# KiCad board shimarray.kicad_pcb (continued)
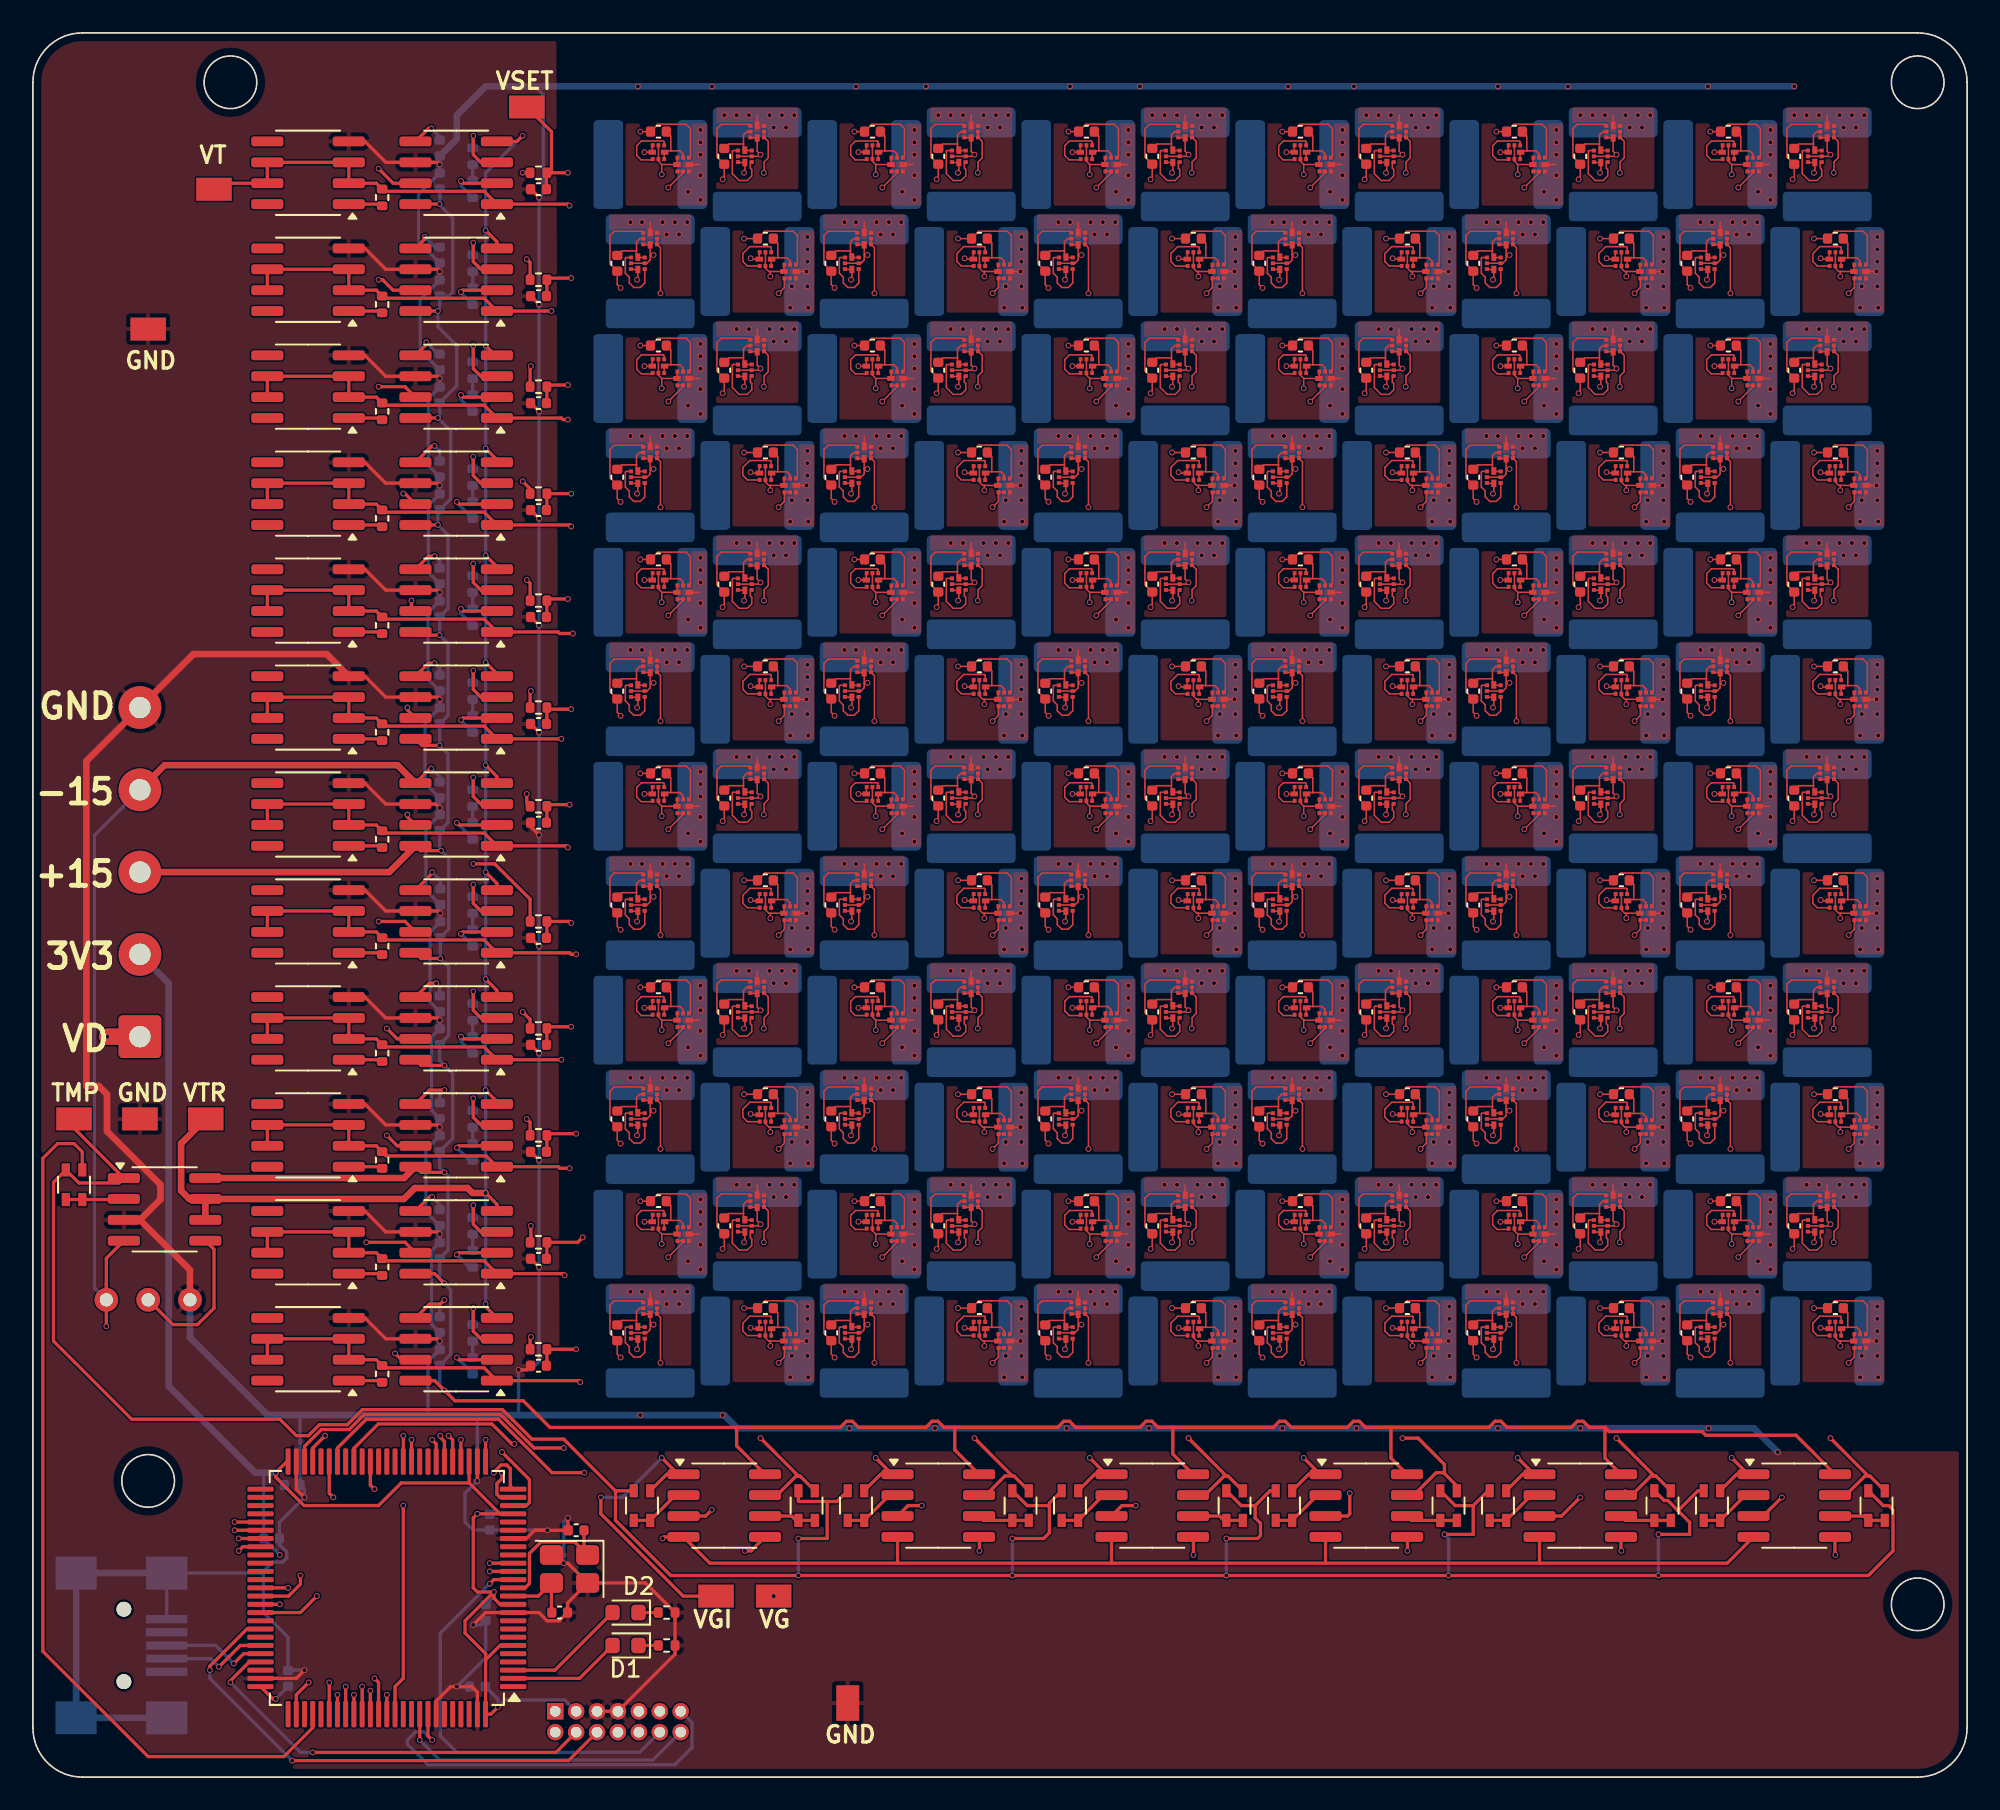
[diagram p0: board, top side]
## Routing (per net, layer and track width the routed paths; a pad name or vN(x,y) marks a point on that pad's centre or on a via; arc(x,y) is an arc through that point) (continued)
  Top w1: J4.1 v1(4.5,45)
  In1.Cu w1: v1(46.25,101) v1(42.75,101) 42.25,101.5 42.25,103 41.25,104 20.25,104 2.5,86.25 2.5,46 3.5,45 v1(4.5,45) J4.1
  vias: v1(36.3,94.5) v1(36.3,81.5) v1(36.3,68.5) v1(36.3,55.5) v1(36.3,42.5) v1(36.3,29.5) v1(37,94.5) v1(37,81.5) v1(37,68.5) v1(37,55.5) v1(37,42.5) v1(37,29.5) v1(38.25,94.5) v1(38.25,81.5) v1(38.25,68.5) v1(38.25,55.5) v1(38.25,42.5) v1(38.25,29.5) v1(38.5,93.75) v1(38.5,80.75) v1(38.5,67.75) v1(38.5,54.75) v1(38.5,41.75) v1(38.5,28.75) v1(39,94.5) v1(39,81.5) v1(39,68.5) v1(39,55.5) v1(39,42.5) v1(39,29.5) v1(39.25,93.75) v1(39.25,80.75) v1(39.25,67.75) v1(39.25,54.75) v1(39.25,41.75) v1(39.25,28.75) v1(39.8,96.35) v1(39.75,94.5) v1(39.8,83.35) v1(39.75,81.5) v1(39.8,70.35) v1(39.75,68.5) v1(39.8,57.35) v1(39.75,55.5) v1(39.8,44.35) v1(39.75,42.5) v1(39.8,31.35) v1(39.75,29.5) v1(40.55,100.1) v1(40.55,99.35) v1(40.55,98.6) v1(40.55,97.35) v1(40.55,95.85) v1(40.55,87.1) v1(40.55,86.35) v1(40.55,85.6) v1(40.55,84.35) v1(40.55,82.85) v1(40.55,74.1) v1(40.55,73.35) v1(40.55,72.6) v1(40.55,71.35) v1(40.55,69.85) v1(40.55,61.1) v1(40.55,60.35) v1(40.55,59.6) v1(40.55,58.35) v1(40.55,56.85) v1(40.55,48.1) v1(40.55,47.35) v1(40.55,46.6) v1(40.55,45.35) v1(40.55,43.85) v1(40.55,35.1) v1(40.55,34.35) v1(40.55,33.6) v1(40.55,32.35) v1(40.55,30.85) v1(42,101) v1(42.75,88) v1(42.75,75) v1(42.75,62) v1(42.75,49) v1(42.75,36) v1(43.5,101) v1(43.5,88) v1(43.5,75) v1(43.5,62) v1(43.5,49) v1(43.5,36) v1(44.75,101) v1(44.75,88) v1(44.75,75) v1(44.75,62) v1(44.75,49) v1(44.75,36) v1(45,100.25) v1(45,87.25) v1(45,74.25) v1(45,61.25) v1(45,48.25) v1(45,35.25) v1(45.5,101) v1(45.5,88) v1(45.5,75) v1(45.5,62) v1(45.5,49) v1(45.5,36) v1(45.75,100.25) v1(45.75,87.25) v1(45.75,74.25) v1(45.75,61.25) v1(45.75,48.25) v1(45.75,35.25) v1(46,89.3) v1(46,76.3) v1(46,63.3) v1(46,50.3) v1(46,37.3) v1(46,24.3) v1(46.1,90.6) v1(46.1,77.6) v1(46.1,64.6) v1(46.1,51.6) v1(46.1,38.6) v1(46.1,25.6) v1(46.25,88) v1(46.25,75) v1(46.25,62) v1(46.25,49) v1(46.25,36) v1(47.05,93.6) v1(47.05,92.85) v1(47.05,92.1) v1(47.05,90.6) v1(47.1,89.3) v1(47.05,80.6) v1(47.05,79.85) v1(47.05,79.1) v1(47.05,77.6) v1(47.1,76.3) v1(47.05,67.6) v1(47.05,66.85) v1(47.05,66.1) v1(47.05,64.6) v1(47.1,63.3) v1(47.05,54.6) v1(47.05,53.85) v1(47.05,53.1) v1(47.05,51.6) v1(47.1,50.3) v1(47.05,41.6) v1(47.05,40.85) v1(47.05,40.1) v1(47.05,38.6) v1(47.1,37.3) v1(47.05,28.6) v1(47.05,27.85) v1(47.05,27.1) v1(47.05,25.6) v1(47.1,24.3) v1(49.3,94.5) v1(49.3,81.5) v1(49.3,68.5) v1(49.3,55.5) v1(49.3,42.5) v1(49.3,29.5) v1(50,94.5) v1(50,81.5) v1(50,68.5) v1(50,55.5) v1(50,42.5) v1(50,29.5) v1(51.25,94.5) v1(51.25,81.5) v1(51.25,68.5) v1(51.25,55.5) v1(51.25,42.5) v1(51.25,29.5) v1(51.5,93.75) v1(51.5,80.75) v1(51.5,67.75) v1(51.5,54.75) v1(51.5,41.75) v1(51.5,28.75) v1(52,94.5) v1(52,81.5) v1(52,68.5) v1(52,55.5) v1(52,42.5) v1(52,29.5) v1(52.25,93.75) v1(52.25,80.75) v1(52.25,67.75) v1(52.25,54.75) v1(52.25,41.75) v1(52.25,28.75) v1(52.8,96.35) v1(52.75,94.5) v1(52.8,83.35) v1(52.75,81.5) v1(52.8,70.35) v1(52.75,68.5) v1(52.8,57.35) v1(52.75,55.5) v1(52.8,44.35) v1(52.75,42.5) v1(52.8,31.35) v1(52.75,29.5) v1(53.55,100.1) v1(53.55,99.35) v1(53.55,98.6) v1(53.55,97.35) v1(53.55,95.85) v1(53.55,87.1) v1(53.55,86.35) v1(53.55,85.6) v1(53.55,84.35) v1(53.55,82.85) v1(53.55,74.1) v1(53.55,73.35) v1(53.55,72.6) v1(53.55,71.35) v1(53.55,69.85) v1(53.55,61.1) v1(53.55,60.35) v1(53.55,59.6) v1(53.55,58.35) v1(53.55,56.85) v1(53.55,48.1) v1(53.55,47.35) v1(53.55,46.6) v1(53.55,45.35) v1(53.55,43.85) v1(53.55,35.1) v1(53.55,34.35) v1(53.55,33.6) v1(53.55,32.35) v1(53.55,30.85) v1(55,101) v1(55.75,101) v1(55.75,88) v1(55.75,75) v1(55.75,62) v1(55.75,49) v1(55.75,36) v1(56.5,101) v1(56.5,88) v1(56.5,75) v1(56.5,62) v1(56.5,49) v1(56.5,36) v1(57.75,101) v1(57.75,88) v1(57.75,75) v1(57.75,62) v1(57.75,49) v1(57.75,36) v1(58,100.25) v1(58,87.25) v1(58,74.25) v1(58,61.25) v1(58,48.25) v1(58,35.25) v1(58.5,101) v1(58.5,88) v1(58.5,75) v1(58.5,62) v1(58.5,49) v1(58.5,36) v1(58.75,100.25) v1(58.75,87.25) v1(58.75,74.25) v1(58.75,61.25) v1(58.75,48.25) v1(58.75,35.25) v1(59,89.3) v1(59,76.3) v1(59,63.3) v1(59,50.3) v1(59,37.3) v1(59,24.3) v1(59.1,90.6) v1(59.1,77.6) v1(59.1,64.6) v1(59.1,51.6) v1(59.1,38.6) v1(59.1,25.6) v1(59.25,101) v1(59.25,88) v1(59.25,75) v1(59.25,62) v1(59.25,49) v1(59.25,36) v1(60.05,93.6) v1(60.05,92.85) v1(60.05,92.1) v1(60.05,90.6) v1(60.1,89.3) v1(60.05,80.6) v1(60.05,79.85) v1(60.05,79.1) v1(60.05,77.6) v1(60.1,76.3) v1(60.05,67.6) v1(60.05,66.85) v1(60.05,66.1) v1(60.05,64.6) v1(60.1,63.3) v1(60.05,54.6) v1(60.05,53.85) v1(60.05,53.1) v1(60.05,51.6) v1(60.1,50.3) v1(60.05,41.6) v1(60.05,40.85) v1(60.05,40.1) v1(60.05,38.6) v1(60.1,37.3) v1(60.05,28.6) v1(60.05,27.85) v1(60.05,27.1) v1(60.05,25.6) v1(60.1,24.3) v1(62.3,94.5) v1(62.3,81.5) v1(62.3,68.5) v1(62.3,55.5) v1(62.3,42.5) v1(62.3,29.5) v1(63,94.5) v1(63,81.5) v1(63,68.5) v1(63,55.5) v1(63,42.5) v1(63,29.5) v1(64.25,94.5) v1(64.25,81.5) v1(64.25,68.5) v1(64.25,55.5) v1(64.25,42.5) v1(64.25,29.5) v1(64.5,93.75) v1(64.5,80.75) v1(64.5,67.75) v1(64.5,54.75) v1(64.5,41.75) v1(64.5,28.75) v1(65,94.5) v1(65,81.5) v1(65,68.5) v1(65,55.5) v1(65,42.5) v1(65,29.5) v1(65.25,93.75) v1(65.25,80.75) v1(65.25,67.75) v1(65.25,54.75) v1(65.25,41.75) v1(65.25,28.75) v1(65.8,96.35) v1(65.75,94.5) v1(65.8,83.35) v1(65.75,81.5) v1(65.8,70.35) v1(65.75,68.5) v1(65.8,57.35) v1(65.75,55.5) v1(65.8,44.35) v1(65.75,42.5) v1(65.8,31.35) v1(65.75,29.5) v1(66.55,100.1) v1(66.55,99.35) v1(66.55,98.6) v1(66.55,97.35) v1(66.55,95.85) v1(66.55,87.1) v1(66.55,86.35) v1(66.55,85.6) v1(66.55,84.35) v1(66.55,82.85) v1(66.55,74.1) v1(66.55,73.35) v1(66.55,72.6) v1(66.55,71.35) v1(66.55,69.85) v1(66.55,61.1) v1(66.55,60.35) v1(66.55,59.6) v1(66.55,58.35) v1(66.55,56.85) v1(66.55,48.1) v1(66.55,47.35) v1(66.55,46.6) v1(66.55,45.35) v1(66.55,43.85) v1(66.55,35.1) v1(66.55,34.35) v1(66.55,33.6) v1(66.55,32.35) v1(66.55,30.85) v1(68,101) v1(68.75,101) v1(68.75,88) v1(68.75,75) v1(68.75,62) v1(68.75,49) v1(68.75,36) v1(69.5,101) v1(69.5,88) v1(69.5,75) v1(69.5,62) v1(69.5,49) v1(69.5,36) v1(70.75,101) v1(70.75,88) v1(70.75,75) v1(70.75,62) v1(70.75,49) v1(70.75,36) v1(71,100.25) v1(71,87.25) v1(71,74.25) v1(71,61.25) v1(71,48.25) v1(71,35.25) v1(71.5,101) v1(71.5,88) v1(71.5,75) v1(71.5,62) v1(71.5,49) v1(71.5,36) v1(71.75,100.25) v1(71.75,87.25) v1(71.75,74.25) v1(71.75,61.25) v1(71.75,48.25) v1(71.75,35.25) v1(72,89.3) v1(72,76.3) v1(72,63.3) v1(72,50.3) v1(72,37.3) v1(72,24.3) v1(72.1,90.6) v1(72.1,77.6) v1(72.1,64.6) v1(72.1,51.6) v1(72.1,38.6) v1(72.1,25.6) v1(72.25,101) v1(72.25,88) v1(72.25,75) v1(72.25,62) v1(72.25,49) v1(72.25,36) v1(73.05,93.6) v1(73.05,92.85) v1(73.05,92.1) v1(73.05,90.6) v1(73.1,89.3) v1(73.05,80.6) v1(73.05,79.85) v1(73.05,79.1) v1(73.05,77.6) v1(73.1,76.3) v1(73.05,67.6) v1(73.05,66.85) v1(73.05,66.1) v1(73.05,64.6) v1(73.1,63.3) v1(73.05,54.6) v1(73.05,53.85) v1(73.05,53.1) v1(73.05,51.6) v1(73.1,50.3) v1(73.05,41.6) v1(73.05,40.85) v1(73.05,40.1) v1(73.05,38.6) v1(73.1,37.3) v1(73.05,28.6) v1(73.05,27.85) v1(73.05,27.1) v1(73.05,25.6) v1(73.1,24.3) v1(75.3,94.5) v1(75.3,81.5) v1(75.3,68.5) v1(75.3,55.5) v1(75.3,42.5) v1(75.3,29.5) v1(76,94.5) v1(76,81.5) v1(76,68.5) v1(76,55.5) v1(76,42.5) v1(76,29.5) v1(77.25,94.5) v1(77.25,81.5) v1(77.25,68.5) v1(77.25,55.5) v1(77.25,42.5) v1(77.25,29.5) v1(77.5,93.75) v1(77.5,80.75) v1(77.5,67.75) v1(77.5,54.75) v1(77.5,41.75) v1(77.5,28.75) v1(78,94.5) v1(78,81.5) v1(78,68.5) v1(78,55.5) v1(78,42.5) v1(78,29.5) v1(78.25,93.75) v1(78.25,80.75) v1(78.25,67.75) v1(78.25,54.75) v1(78.25,41.75) v1(78.25,28.75) v1(78.8,96.35) v1(78.75,94.5) v1(78.8,83.35) v1(78.75,81.5) v1(78.8,70.35) v1(78.75,68.5) v1(78.8,57.35) v1(78.75,55.5) v1(78.8,44.35) v1(78.75,42.5) v1(78.8,31.35) v1(78.75,29.5) v1(79.55,100.1) v1(79.55,99.35) v1(79.55,98.6) v1(79.55,97.35) v1(79.55,95.85) v1(79.55,87.1) v1(79.55,86.35) v1(79.55,85.6) v1(79.55,84.35) v1(79.55,82.85) v1(79.55,74.1) v1(79.55,73.35) v1(79.55,72.6) v1(79.55,71.35) v1(79.55,69.85) v1(79.55,61.1) v1(79.55,60.35) v1(79.55,59.6) v1(79.55,58.35) v1(79.55,56.85) v1(79.55,48.1) v1(79.55,47.35) v1(79.55,46.6) v1(79.55,45.35) v1(79.55,43.85) v1(79.55,35.1) v1(79.55,34.35) v1(79.55,33.6) v1(79.55,32.35) v1(79.55,30.85) v1(81,101) v1(81.75,101) v1(81.75,88) v1(81.75,75) v1(81.75,62) v1(81.75,49) v1(81.75,36) v1(82.5,101) v1(82.5,88) v1(82.5,75) v1(82.5,62) v1(82.5,49) v1(82.5,36) v1(83.75,101) v1(83.75,88) v1(83.75,75) v1(83.75,62) v1(83.75,49) v1(83.75,36) v1(84,100.25) v1(84,87.25) v1(84,74.25) v1(84,61.25) v1(84,48.25) v1(84,35.25) v1(84.5,101) v1(84.5,88) v1(84.5,75) v1(84.5,62) v1(84.5,49) v1(84.5,36) v1(84.75,100.25) v1(84.75,87.25) v1(84.75,74.25) v1(84.75,61.25) v1(84.75,48.25) v1(84.75,35.25) v1(85,89.3) v1(85,76.3) v1(85,63.3) v1(85,50.3) v1(85,37.3) v1(85,24.3) v1(85.1,90.6) v1(85.1,77.6) v1(85.1,64.6) v1(85.1,51.6) v1(85.1,38.6) v1(85.1,25.6) v1(85.25,101) v1(85.25,88) v1(85.25,75) v1(85.25,62) v1(85.25,49) v1(85.25,36) v1(86.05,93.6) v1(86.05,92.85) v1(86.05,92.1) v1(86.05,90.6) v1(86.1,89.3) v1(86.05,80.6) v1(86.05,79.85) v1(86.05,79.1) v1(86.05,77.6) v1(86.1,76.3) v1(86.05,67.6) v1(86.05,66.85) v1(86.05,66.1) v1(86.05,64.6) v1(86.1,63.3) v1(86.05,54.6) v1(86.05,53.85) v1(86.05,53.1) v1(86.05,51.6) v1(86.1,50.3) v1(86.05,41.6) v1(86.05,40.85) v1(86.05,40.1) v1(86.05,38.6) v1(86.1,37.3) v1(86.05,28.6) v1(86.05,27.85) v1(86.05,27.1) v1(86.05,25.6) v1(86.1,24.3) v1(88.3,94.5) v1(88.3,81.5) v1(88.3,68.5) v1(88.3,55.5) v1(88.3,42.5) v1(88.3,29.5) v1(89,94.5) v1(89,81.5) v1(89,68.5) v1(89,55.5) v1(89,42.5) v1(89,29.5) v1(90.25,94.5) v1(90.25,81.5) v1(90.25,68.5) v1(90.25,55.5) v1(90.25,42.5) v1(90.25,29.5) v1(90.5,93.75) v1(90.5,80.75) v1(90.5,67.75) v1(90.5,54.75) v1(90.5,41.75) v1(90.5,28.75) v1(91,94.5) v1(91,81.5) v1(91,68.5) v1(91,55.5) v1(91,42.5) v1(91,29.5) v1(91.25,93.75) v1(91.25,80.75) v1(91.25,67.75) v1(91.25,54.75) v1(91.25,41.75) v1(91.25,28.75) v1(91.8,96.35) v1(91.75,94.5) v1(91.8,83.35) v1(91.75,81.5) v1(91.8,70.35) v1(91.75,68.5) v1(91.8,57.35) v1(91.75,55.5) v1(91.8,44.35) v1(91.75,42.5) v1(91.8,31.35) v1(91.75,29.5) v1(92.55,100.1) v1(92.55,99.35) v1(92.55,98.6) v1(92.55,97.35) v1(92.55,95.85) v1(92.55,87.1) v1(92.55,86.35) v1(92.55,85.6) v1(92.55,84.35) v1(92.55,82.85) v1(92.55,74.1) v1(92.55,73.35) v1(92.55,72.6) v1(92.55,71.35) v1(92.55,69.85) v1(92.55,61.1) v1(92.55,60.35) v1(92.55,59.6) v1(92.55,58.35) v1(92.55,56.85) v1(92.55,48.1) v1(92.55,47.35) v1(92.55,46.6) v1(92.55,45.35) v1(92.55,43.85) v1(92.55,35.1) v1(92.55,34.35) v1(92.55,33.6) v1(92.55,32.35) v1(92.55,30.85) v1(94,101) v1(94.75,101) v1(94.75,88) v1(94.75,75) v1(94.75,62) v1(94.75,49) v1(94.75,36) v1(95.5,101) v1(95.5,88) v1(95.5,75) v1(95.5,62) v1(95.5,49) v1(95.5,36) v1(96.75,101) v1(96.75,88) v1(96.75,75) v1(96.75,62) v1(96.75,49) v1(96.75,36) v1(97,100.25) v1(97,87.25) v1(97,74.25) v1(97,61.25) v1(97,48.25) v1(97,35.25) v1(97.5,101) v1(97.5,88) v1(97.5,75) v1(97.5,62) v1(97.5,49) v1(97.5,36) v1(97.75,100.25) v1(97.75,87.25) v1(97.75,74.25) v1(97.75,61.25) v1(97.75,48.25) v1(97.75,35.25) v1(98,89.3) v1(98,76.3) v1(98,63.3) v1(98,50.3) v1(98,37.3) v1(98,24.3) v1(98.1,90.6) v1(98.1,77.6) v1(98.1,64.6) v1(98.1,51.6) v1(98.1,38.6) v1(98.1,25.6) v1(98.25,101) v1(98.25,88) v1(98.25,75) v1(98.25,62) v1(98.25,49) v1(98.25,36) v1(99.05,93.6) v1(99.05,92.85) v1(99.05,92.1) v1(99.05,90.6) v1(99.1,89.3) v1(99.05,80.6) v1(99.05,79.85) v1(99.05,79.1) v1(99.05,77.6) v1(99.1,76.3) v1(99.05,67.6) v1(99.05,66.85) v1(99.05,66.1) v1(99.05,64.6) v1(99.1,63.3) v1(99.05,54.6) v1(99.05,53.85) v1(99.05,53.1) v1(99.05,51.6) v1(99.1,50.3) v1(99.05,41.6) v1(99.05,40.85) v1(99.05,40.1) v1(99.05,38.6) v1(99.1,37.3) v1(99.05,28.6) v1(99.05,27.85) v1(99.05,27.1) v1(99.05,25.6) v1(99.1,24.3) v1(101.3,94.5) v1(101.3,81.5) v1(101.3,68.5) v1(101.3,55.5) v1(101.3,42.5) v1(101.3,29.5) v1(102,94.5) v1(102,81.5) v1(102,68.5) v1(102,55.5) v1(102,42.5) v1(102,29.5) v1(103.25,94.5) v1(103.25,81.5) v1(103.25,68.5) v1(103.25,55.5) v1(103.25,42.5) v1(103.25,29.5) v1(103.5,93.75) v1(103.5,80.75) v1(103.5,67.75) v1(103.5,54.75) v1(103.5,41.75) v1(103.5,28.75) v1(104,94.5) v1(104,81.5) v1(104,68.5) v1(104,55.5) v1(104,42.5) v1(104,29.5) v1(104.25,93.75) v1(104.25,80.75) v1(104.25,67.75) v1(104.25,54.75) v1(104.25,41.75) v1(104.25,28.75) v1(104.8,96.35) v1(104.75,94.5) v1(104.8,83.35) v1(104.75,81.5) v1(104.8,70.35) v1(104.75,68.5) v1(104.8,57.35) v1(104.75,55.5) v1(104.8,44.35) v1(104.75,42.5) v1(104.8,31.35) v1(104.75,29.5) v1(105.55,100.1) v1(105.55,99.35) v1(105.55,98.6) v1(105.55,97.35) v1(105.55,95.85) v1(105.55,87.1) v1(105.55,86.35) v1(105.55,85.6) v1(105.55,84.35) v1(105.55,82.85) v1(105.55,74.1) v1(105.55,73.35) v1(105.55,72.6) v1(105.55,71.35) v1(105.55,69.85) v1(105.55,61.1) v1(105.55,60.35) v1(105.55,59.6) v1(105.55,58.35) v1(105.55,56.85) v1(105.55,48.1) v1(105.55,47.35) v1(105.55,46.6) v1(105.55,45.35) v1(105.55,43.85) v1(105.55,35.1) v1(105.55,34.35) v1(105.55,33.6) v1(105.55,32.35) v1(105.55,30.85) v1(107,101) v1(107.75,101) v1(107.75,88) v1(107.75,75) v1(107.75,62) v1(107.75,49) v1(107.75,36) v1(108.5,101) v1(108.5,88) v1(108.5,75) v1(108.5,62) v1(108.5,49) v1(108.5,36) v1(109.75,101) v1(109.75,88) v1(109.75,75) v1(109.75,62) v1(109.75,49) v1(109.75,36) v1(110,100.25) v1(110,87.25) v1(110,74.25) v1(110,61.25) v1(110,48.25) v1(110,35.25) v1(110.5,101) v1(110.5,88) v1(110.5,75) v1(110.5,62) v1(110.5,49) v1(110.5,36) v1(110.75,100.25) v1(110.75,87.25) v1(110.75,74.25) v1(110.75,61.25) v1(110.75,48.25) v1(110.75,35.25) v1(111,89.3) v1(111,76.3) v1(111,63.3) v1(111,50.3) v1(111,37.3) v1(111,24.3) v1(111.1,90.6) v1(111.1,77.6) v1(111.1,64.6) v1(111.1,51.6) v1(111.1,38.6) v1(111.1,25.6) v1(111.25,101) v1(111.25,88) v1(111.25,75) v1(111.25,62) v1(111.25,49) v1(111.25,36) v1(112.05,93.6) v1(112.05,92.85) v1(112.05,92.1) v1(112.05,90.6) v1(112.1,89.3) v1(112.05,80.6) v1(112.05,79.85) v1(112.05,79.1) v1(112.05,77.6) v1(112.1,76.3) v1(112.05,67.6) v1(112.05,66.85) v1(112.05,66.1) v1(112.05,64.6) v1(112.1,63.3) v1(112.05,54.6) v1(112.05,53.85) v1(112.05,53.1) v1(112.05,51.6) v1(112.1,50.3) v1(112.05,41.6) v1(112.05,40.85) v1(112.05,40.1) v1(112.05,38.6) v1(112.1,37.3) v1(112.05,28.6) v1(112.05,27.85) v1(112.05,27.1) v1(112.05,25.6) v1(112.1,24.3)
Net-(D1-A): length 6.9
  Top w0.2: D1.2 33.21,6 U1.2
Net-(D1-K): length 1.2
  Top w0.2: D1.1 R1.1
Net-(D2-A): length 7.5
  Top w0.2: D2.2 31.71,6.5 U1.3
Net-(D2-K): length 1.2
  Top w0.2: R2.1 D2.1
Net-(J3-D+): length 6.4
  Top w0.2: U1.71 12.8,7.5 v1(12.2,6.9)
  Bottom w0.2: v1(12.2,6.9) 11.1,8 J3.3
Net-(J3-D-): length 6.4
  Top w0.2: U1.70 12.6,8 v1(11.3,6.7)
  Bottom w0.2: v1(11.3,6.7) 10.8,7.2 J3.2
Net-(Q1A-S): length 3.7
  Top w0.09: Q1.1 38.35,99.38 38.3,99.43 36.97,99.43 36.68,99.14 36.68,98.56 36.96,98.28 37.6,98.28 Q1.3
Net-(Q2B-G): length 3.1
  Top w0.09: 38.75,98.83 38.38,98.83 38.35,98.81 38.35,98.42 ; 38.75,98.83 38.75,99.73 C21.1 ; 38.75,98.83 39.3,98.83 39.5,98.63 Q2.4
Net-(Q3A-S): length 4
  Top w0.09: 42.75,98.85 42.53,98.85 42.49,98.8 42.49,97.45 42.91,97.03 43.39,97.03 43.67,97.31 43.67,97.69 43.59,97.78 43.59,98.15
Net-(Q4B-G): length 3.1
  Top w0.09: 43.59,98.85 43.19,98.85 43.17,98.88 43.17,99.25 ; 43.17,99.25 42.27,99.25 C22.1 ; 43.17,99.25 43.17,99.8 43.37,100 Q4.4
Net-(Q5A-S): length 3.9
  Top w0.09: 36.25,92.35 36.03,92.35 35.99,92.3 35.99,91.4 36.23,91.16 36.23,90.81 36.51,90.53 36.89,90.53 37.17,90.81 37.17,91.56 37.09,91.65
Net-(Q6B-G): length 3.1
  Top w0.09: 36.67,92.75 36.67,93.3 36.87,93.5 Q6.4 ; 36.67,92.75 35.77,92.75 C23.1 ; 36.67,92.75 36.67,92.38 36.69,92.35 37.09,92.35
Net-(Q7A-S): length 3.8
  Top w0.09: 44.15,91.92 44.06,91.83 43.41,91.83 43.13,92.11 43.13,92.59 43.55,93.01 44.8,93.01 44.85,92.97 44.85,92.75
Net-(Q8B-G): length 3.1
  Top w0.09: 44.85,91.92 44.85,92.31 44.88,92.33 45.25,92.33 ; 45.25,92.33 45.25,93.23 C24.1 ; 45.25,92.33 45.8,92.33 46,92.13 Q8.4
Net-(Q9A-S): length 4
  Top w0.09: 56.59,98.15 56.59,97.78 56.67,97.69 56.67,97.31 56.39,97.03 55.91,97.03 55.49,97.45 55.49,98.8 55.53,98.85 55.75,98.85
Net-(Q10B-G): length 3.1
  Top w0.09: 56.17,99.25 55.27,99.25 C25.1 ; 56.17,99.25 56.17,98.88 56.19,98.85 56.59,98.85 ; 56.17,99.25 56.17,99.8 56.37,100 Q10.4
Net-(Q11A-S): length 3.8
  Top w0.09: 57.85,92.75 57.85,92.97 57.8,93.01 56.55,93.01 56.13,92.59 56.13,92.11 56.41,91.83 57.06,91.83 57.15,91.92
Net-(Q12B-G): length 3.1
  Top w0.09: 58.25,92.33 57.88,92.33 57.85,92.31 57.85,91.92 ; 58.25,92.33 58.8,92.33 59,92.13 Q12.4 ; 58.25,92.33 58.25,93.23 C26.1
Net-(Q13A-S): length 3.9
  Top w0.09: 49.25,92.35 49.03,92.35 48.99,92.3 48.99,91.4 49.23,91.16 49.23,90.81 49.51,90.53 49.89,90.53 50.17,90.81 50.17,91.56 50.09,91.65
Net-(Q14B-G): length 3.1
  Top w0.09: Q14.4 49.87,93.5 49.67,93.3 49.67,92.75 ; 49.67,92.75 48.77,92.75 C27.1 ; 49.67,92.75 49.67,92.38 49.69,92.35 50.09,92.35
Net-(Q15A-S): length 4
  Top w0.09: 69.59,98.15 69.59,97.78 69.67,97.69 69.67,97.31 69.39,97.03 68.91,97.03 68.49,97.45 68.49,98.8 68.53,98.85 68.75,98.85
Net-(Q16B-G): length 3.1
  Top w0.09: Q16.4 69.37,100 69.17,99.8 69.17,99.25 ; 69.17,99.25 68.27,99.25 C28.1 ; 69.17,99.25 69.17,98.88 69.19,98.85 69.59,98.85
Net-(Q17A-S): length 3.8
  Top w0.09: 70.85,92.75 70.85,92.97 70.8,93.01 69.55,93.01 69.13,92.59 69.13,92.11 69.41,91.83 70.06,91.83 70.15,91.92
Net-(Q18B-G): length 3.1
  Top w0.09: 70.85,91.92 70.85,92.31 70.88,92.33 71.25,92.33 ; C29.1 71.25,93.23 71.25,92.33 ; 71.25,92.33 71.8,92.33 72,92.13 Q18.4
Net-(Q19A-S): length 3.9
  Top w0.09: 63.09,91.65 63.17,91.56 63.17,90.81 62.89,90.53 62.51,90.53 62.23,90.81 62.23,91.16 61.99,91.4 61.99,92.3 62.03,92.35 62.25,92.35
Net-(Q20B-G): length 3.1
  Top w0.09: Q20.4 62.87,93.5 62.67,93.3 62.67,92.75 ; 62.67,92.75 62.67,92.38 62.69,92.35 63.09,92.35 ; 62.67,92.75 61.77,92.75 C30.1
Net-(Q21A-S): length 3.7
  Top w0.09: Q21.3 63.6,98.28 62.96,98.28 62.68,98.56 62.68,99.14 62.97,99.43 64.3,99.43 64.35,99.38 Q21.1
Net-(Q22B-G): length 3.1
  Top w0.09: 64.75,98.83 64.38,98.83 64.35,98.81 64.35,98.42 ; 64.75,98.83 64.75,99.73 C31.1 ; 64.75,98.83 65.3,98.83 65.5,98.63 Q22.4
Net-(Q23A-S): length 4
  Top w0.09: 81.75,98.85 81.53,98.85 81.49,98.8 81.49,97.45 81.91,97.03 82.39,97.03 82.67,97.31 82.67,97.69 82.59,97.78 82.59,98.15
Net-(Q24B-G): length 3.1
  Top w0.09: Q24.4 82.37,100 82.17,99.8 82.17,99.25 ; 82.59,98.85 82.19,98.85 82.17,98.88 82.17,99.25 ; 82.17,99.25 81.27,99.25 C32.1
Net-(Q25A-S): length 3.8
  Top w0.09: 83.15,91.92 83.06,91.83 82.41,91.83 82.13,92.11 82.13,92.59 82.55,93.01 83.8,93.01 83.85,92.97 83.85,92.75
Net-(Q26B-G): length 3.1
  Top w0.09: 84.25,92.33 84.8,92.33 85,92.13 Q26.4 ; 84.25,92.33 84.25,93.23 C33.1 ; 84.25,92.33 83.88,92.33 83.85,92.31 83.85,91.92
Net-(Q27A-S): length 3.9
  Top w0.09: 76.09,91.65 76.17,91.56 76.17,90.81 75.89,90.53 75.51,90.53 75.23,90.81 75.23,91.16 74.99,91.4 74.99,92.3 75.03,92.35 75.25,92.35
Net-(Q28B-G): length 3.1
  Top w0.09: 75.67,92.75 75.67,93.3 75.87,93.5 Q28.4 ; 75.67,92.75 74.77,92.75 C34.1 ; 75.67,92.75 75.67,92.38 75.69,92.35 76.09,92.35
Net-(Q29A-S): length 3.7
  Top w0.09: Q29.1 77.35,99.38 77.3,99.43 75.97,99.43 75.68,99.14 75.68,98.56 75.96,98.28 76.6,98.28 Q29.3
Net-(Q30B-G): length 3.1
  Top w0.09: 77.75,98.83 77.75,99.73 C35.1 ; 77.75,98.83 78.3,98.83 78.5,98.63 Q30.4 ; 77.75,98.83 77.38,98.83 77.35,98.81 77.35,98.42
Net-(Q31A-S): length 4
  Top w0.09: 95.59,98.15 95.59,97.78 95.67,97.69 95.67,97.31 95.39,97.03 94.91,97.03 94.49,97.45 94.49,98.8 94.53,98.85 94.75,98.85
Net-(Q32B-G): length 3.1
  Top w0.09: C36.1 94.27,99.25 95.17,99.25 ; 95.17,99.25 95.17,98.88 95.19,98.85 95.59,98.85 ; 95.17,99.25 95.17,99.8 95.37,100 Q32.4
Net-(Q33A-S): length 3.8
  Top w0.09: 96.85,92.75 96.85,92.97 96.8,93.01 95.55,93.01 95.13,92.59 95.13,92.11 95.41,91.83 96.06,91.83 96.15,91.92
Net-(Q34B-G): length 3.1
  Top w0.09: 96.85,91.92 96.85,92.31 96.88,92.33 97.25,92.33 ; Q34.4 98,92.13 97.8,92.33 97.25,92.33 ; 97.25,92.33 97.25,93.23 C37.1
Net-(Q35A-S): length 3.9
  Top w0.09: 89.09,91.65 89.17,91.56 89.17,90.81 88.89,90.53 88.51,90.53 88.23,90.81 88.23,91.16 87.99,91.4 87.99,92.3 88.03,92.35 88.25,92.35
Net-(Q36B-G): length 3.1
  Top w0.09: 88.67,92.75 88.67,93.3 88.87,93.5 Q36.4 ; 88.67,92.75 88.67,92.38 88.69,92.35 89.09,92.35 ; 88.67,92.75 87.77,92.75 C38.1
Net-(Q37A-S): length 3.7
  Top w0.09: Q37.3 89.6,98.28 88.96,98.28 88.68,98.56 88.68,99.14 88.97,99.43 90.3,99.43 90.35,99.38 Q37.1
Net-(Q38B-G): length 3.1
  Top w0.09: 90.75,98.83 90.38,98.83 90.35,98.81 90.35,98.42 ; 90.75,98.83 91.3,98.83 91.5,98.63 Q38.4 ; 90.75,98.83 90.75,99.73 C39.1
Net-(Q39A-S): length 3.7
  Top w0.09: Q39.1 51.35,99.38 51.3,99.43 49.97,99.43 49.68,99.14 49.68,98.56 49.96,98.28 50.6,98.28 Q39.3
Net-(Q40B-G): length 3.1
  Top w0.09: Q40.4 52.5,98.63 52.3,98.83 51.75,98.83 ; 51.75,98.83 51.38,98.83 51.35,98.81 51.35,98.42 ; 51.75,98.83 51.75,99.73 C40.1
Net-(Q41A-S): length 4
  Top w0.09: 107.75,98.85 107.53,98.85 107.49,98.8 107.49,97.45 107.91,97.03 108.39,97.03 108.67,97.31 108.67,97.69 108.59,97.78 108.59,98.15
Net-(Q42B-G): length 3.1
  Top w0.09: Q42.4 108.37,100 108.17,99.8 108.17,99.25 ; 108.17,99.25 108.17,98.88 108.19,98.85 108.59,98.85 ; 108.17,99.25 107.27,99.25 C41.1
Net-(Q43A-S): length 3.8
  Top w0.09: 109.85,92.75 109.85,92.97 109.8,93.01 108.55,93.01 108.13,92.59 108.13,92.11 108.41,91.83 109.06,91.83 109.15,91.92
Net-(Q44B-G): length 3.1
  Top w0.09: C42.1 110.25,93.23 110.25,92.33 ; Q44.4 111,92.13 110.8,92.33 110.25,92.33 ; 110.25,92.33 109.88,92.33 109.85,92.31 109.85,91.92
Net-(Q45A-S): length 3.9
  Top w0.09: 101.25,92.35 101.03,92.35 100.99,92.3 100.99,91.4 101.23,91.16 101.23,90.81 101.51,90.53 101.89,90.53 102.17,90.81 102.17,91.56 102.09,91.65
Net-(Q46B-G): length 3.1
  Top w0.09: 101.67,92.75 101.67,92.38 101.69,92.35 102.09,92.35 ; 101.67,92.75 101.67,93.3 101.87,93.5 Q46.4 ; 101.67,92.75 100.77,92.75 C43.1
Net-(Q47A-S): length 3.7
  Top w0.09: Q47.3 102.6,98.28 101.96,98.28 101.68,98.56 101.68,99.14 101.97,99.43 103.3,99.43 103.35,99.38 Q47.1
Net-(Q48B-G): length 3.1
  Top w0.09: 103.35,98.42 103.35,98.81 103.38,98.83 103.75,98.83 ; 103.75,98.83 103.75,99.73 C44.1 ; 103.75,98.83 104.3,98.83 104.5,98.63 Q48.4
Net-(Q49A-S): length 4
  Top w0.09: 42.75,85.85 42.53,85.85 42.49,85.8 42.49,84.45 42.91,84.03 43.39,84.03 43.67,84.31 43.67,84.69 43.59,84.78 43.59,85.15
Net-(Q50B-G): length 3.1
  Top w0.09: C65.1 42.27,86.25 43.17,86.25 ; 43.17,86.25 43.17,85.88 43.19,85.85 43.59,85.85 ; 43.17,86.25 43.17,86.8 43.37,87 Q50.4
Net-(Q51A-S): length 3.8
  Top w0.09: 44.15,78.91 44.06,78.83 43.41,78.83 43.13,79.11 43.13,79.59 43.55,80.01 44.8,80.01 44.85,79.97 44.85,79.75
Net-(Q52B-G): length 3.1
  Top w0.09: 45.25,79.33 45.8,79.33 46,79.13 Q52.4 ; 45.25,79.33 44.88,79.33 44.85,79.31 44.85,78.91 ; 45.25,79.33 45.25,80.23 C66.1
Net-(Q53A-S): length 3.9
  Top w0.09: 37.09,78.65 37.17,78.56 37.17,77.81 36.89,77.53 36.51,77.53 36.23,77.81 36.23,78.16 35.99,78.4 35.99,79.3 36.03,79.35 36.25,79.35
Net-(Q54B-G): length 3.1
  Top w0.09: 36.67,79.75 36.67,79.38 36.69,79.35 37.09,79.35 ; 36.67,79.75 36.67,80.3 36.87,80.5 Q54.4 ; 36.67,79.75 35.77,79.75 C67.1
Net-(Q55A-S): length 3.7
  Top w0.09: Q55.1 38.35,86.38 38.3,86.43 36.97,86.43 36.68,86.14 36.68,85.56 36.96,85.28 37.6,85.28 Q55.3
Net-(Q56B-G): length 3.1
  Top w0.09: 38.75,85.83 39.3,85.83 39.5,85.63 Q56.4 ; 38.75,85.83 38.38,85.83 38.35,85.81 38.35,85.42 ; 38.75,85.83 38.75,86.73 C68.1
Net-(Q57A-S): length 4
  Top w0.09: 55.75,85.85 55.53,85.85 55.49,85.8 55.49,84.45 55.91,84.03 56.39,84.03 56.67,84.31 56.67,84.69 56.59,84.78 56.59,85.15
Net-(Q58B-G): length 3.1
  Top w0.09: Q58.4 56.37,87 56.17,86.8 56.17,86.25 ; 56.17,86.25 56.17,85.88 56.19,85.85 56.59,85.85 ; 56.17,86.25 55.27,86.25 C69.1
Net-(Q59A-S): length 3.8
  Top w0.09: 57.15,78.91 57.06,78.83 56.41,78.83 56.13,79.11 56.13,79.59 56.55,80.01 57.8,80.01 57.85,79.97 57.85,79.75
Net-(Q60B-G): length 3.1
  Top w0.09: 58.25,79.33 57.88,79.33 57.85,79.31 57.85,78.91 ; 58.25,79.33 58.8,79.33 59,79.13 Q60.4 ; 58.25,79.33 58.25,80.23 C70.1
Net-(Q61A-S): length 3.9
  Top w0.09: 49.25,79.35 49.03,79.35 48.99,79.3 48.99,78.4 49.23,78.16 49.23,77.81 49.51,77.53 49.89,77.53 50.17,77.81 50.17,78.56 50.09,78.65
Net-(Q62B-G): length 3.1
  Top w0.09: 49.67,79.75 49.67,79.38 49.69,79.35 50.09,79.35 ; 49.67,79.75 49.67,80.3 49.87,80.5 Q62.4 ; 49.67,79.75 48.77,79.75 C71.1
